# Altium PCB HV_Diffuser.PcbDoc (part 2 of 2)
Units mm, origin at the board's own origin, x right, y up, seen from the top; angles counter-clockwise.
Board outline 200 x 50 mm, 4 copper layers (Top Side, Ground Plane, Power Plane, Bottom Side), stack 0.844 mm thick; 181 components, 110 nets, 544 pads, 222 vias.
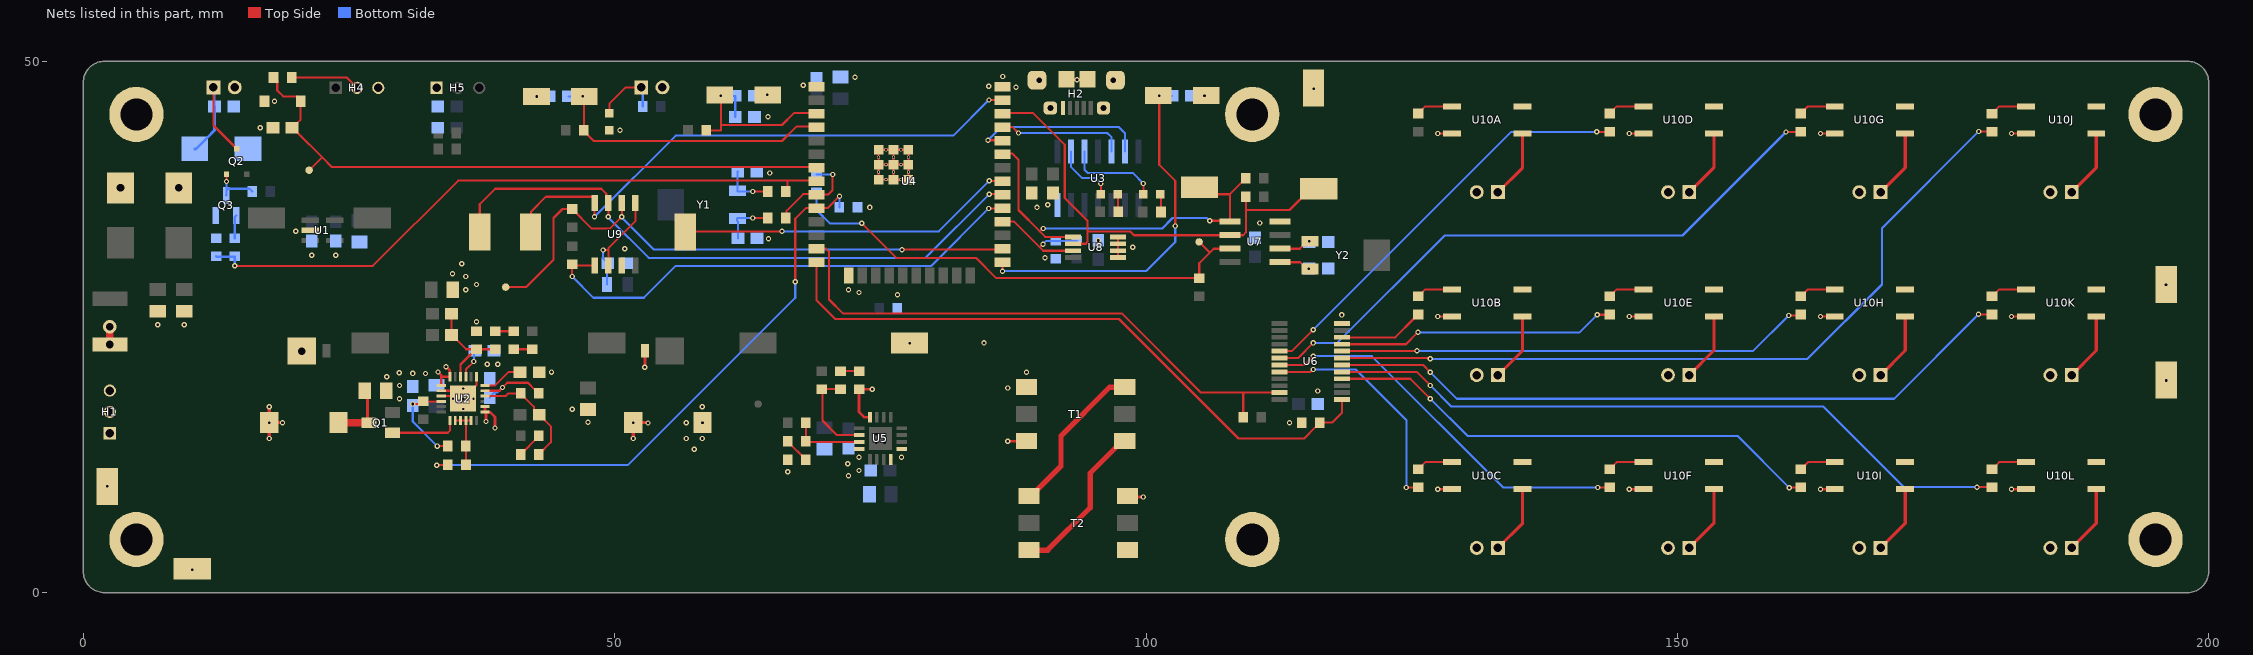
[diagram p4: the nets of this part, all layers, seen from the top]

## Via types
v1: diameter 0.5, hole 0.254, Top Side to Bottom Side, tented both sides, 212 vias
v2: diameter 1.27, hole 0.711, Top Side to Bottom Side, tented both sides, 10 vias

## Nets (pads, with @x,y where several pads share a name; then routed paths per layer and width w, separated by ;. In a path a pad name is that pad's centre, name@x,y a point inside that pad or via, vN(x,y) a via of type N, cw(c..) or ccw(c..) an arc to the next point about the centre after c; other vN are vias at no path point) (continued)
EN2: R42B.1 U6.10 | length 8.1
  Top Side w0.2: U6.10@118.438,24.025 123.452,24.025 125.221,25.794 125.221,25.822 125.571,26.172 R42B.1@125.621,26.172
EN3: R42C.1 U6.20 | length 21.5
  Top Side w0.2: U6.20@112.562,20.775 115.483,20.775 115.708,21 v1(115.75,21) ; v1(124.503,9.893) 125.603,9.893 R42C.1@125.621,9.91
  Bottom Side w0.2: v1(115.75,21) 119.75,21 124.503,16.247 v1(124.503,9.893)
EN4: R42D.1 U6.17 | length 39.6
  Top Side w0.2: U6.17@112.562,22.725 113.725,22.725 v1(115.75,24.75) ; v1(142.411,43.355) 143.59,43.355 R42D.1@143.621,43.385
  Bottom Side w0.2: v1(115.75,24.75) 134.355,43.355 v1(142.411,43.355)
EN5: R42E.1 U6.9 | length 26.3
  Top Side w0.2: U6.9@118.438,23.375 124.469,23.375 v1(125.586,24.493) ; v1(142.46,26.147) 143.596,26.147 R42E.1@143.621,26.172
  Bottom Side w0.2: v1(125.586,24.493) 140.805,24.493 v1(142.46,26.147)
EN6: R42F.1 U6.19 | length 36.5
  Top Side w0.2: U6.19@112.562,21.425 114.925,21.425 v1(115.75,22.25) ; v1(142.521,9.894) 143.605,9.894 R42F.1@143.621,9.91
  Bottom Side w0.2: v1(115.75,22.25) 121.25,22.25 133.606,9.894 v1(142.521,9.894)
EN7: R42G.1 U6.18 | length 57.9
  Top Side w0.2: U6.18@112.562,22.075 114.325,22.075 v1(115.75,23.5) ; v1(160.224,43.34) 161.575,43.34 R42G.1@161.621,43.385
  Bottom Side w0.2: v1(115.75,23.5) 118,23.5 128.103,33.603 150.487,33.603 v1(160.224,43.34)
EN8: R42H.1 U6.8 | length 44.6
  Top Side w0.2: U6.8@118.438,22.725 125.475,22.725 v1(125.5,22.75) ; v1(160.47,26.085) 161.534,26.085 R42H.1@161.621,26.172
  Bottom Side w0.2: v1(125.5,22.75) 157.135,22.75 v1(160.47,26.085)
EN9: R42I.1 U6.4 | length 47.4
  Top Side w0.2: U6.4@118.438,20.125 124.875,20.125 v1(126.75,18.25) ; v1(160.533,9.877) 161.588,9.877 R42I.1@161.621,9.91
  Bottom Side w0.2: v1(126.75,18.25) 130.25,14.75 155.66,14.75 v1(160.533,9.877)
EN10: R42J.1 U6.7 | length 73.2
  Top Side w0.2: U6.7@118.438,22.075 126.594,22.075 126.669,22 v1(126.75,22) ; v1(178.356,43.4) 179.59,43.4 R42J.1@179.607,43.383
  Bottom Side w0.2: v1(126.75,22) 162.25,22 169.25,29 169.25,34.294 v1(178.356,43.4)
EN11: R42K.1 U6.6 | length 65.8
  Top Side w0.2: U6.6@118.438,21.425 126.075,21.425 v1(126.75,20.75) ; v1(178.34,26.188) 179.591,26.188 R42K.1@179.607,26.172
  Bottom Side w0.2: v1(126.75,20.75) 129.25,18.25 170.402,18.25 v1(178.34,26.188)
EN12: R42L.1 U6.5 | length 65.7
  Top Side w0.2: U6.5@118.438,20.775 125.475,20.775 v1(126.75,19.5) ; v1(178.191,9.926) 179.591,9.926 R42L.1@179.607,9.91
  Bottom Side w0.2: v1(126.75,19.5) 128.75,17.5 163.75,17.5 171.324,9.926 v1(178.191,9.926)
F_EN: R13.2 R15.1 R25.2 U4.8 | length 61.8
  Top Side w0.2: v1(14.25,30.75) 27.25,30.75 35.27,38.77 66.25,38.77 ; R25.2@66.1,37.75 66.25,37.9 66.25,38.77 ; U4.8@68.991,38.72 68.941,38.77 68.5,38.77 66.25,38.77
  Bottom Side w0.2: R15.1@12.5,31.65 12.539,31.611 14.25,31.611 v1(14.25,30.75)
GND: C1.1 C2.1 C3.2 C4.2 C5.1 C6.1 C7.1 C8.1 C9.1 C12.2 C14.1 C15.1 C16.1 C17.2 C18.1 C19.1 C20.1 C21.1 C22.1 C23.1 C24.1 C25.1 C26.1 C27.1 C28.1 C29.1 C30.1 C31.1 C32.1 C33.1 C34.1 C35.1 C36.1 C37.1 C38.1 C39.1 C40.1 C41.1 C42.1 D3.2 D4.2 DL3.1 H1.1 H1.3 H2.GND H3.2 H4.3 H5.1 H6.2 L2.1 MH1.1 MH2.1 MH3.1 MH4.1 MH5.1 MH6.1 Q3.2 R5.2 R12.1 R15.2 R28.2 R35.1 R36.1 R41.1 SW1.2 SW2.1 SW3.1 T1.4 TP3.1 TP4.1 TP5.1 U1.2 U2.25 U3.14 U4.1 U5.A0 U5.A1 U5.GND U6.12 U7.4 U8.1 U8.2 U8.3 U8.4 U9.7 U10A.2 U10B.2 U10C.2 U10D.2 U10E.2 U10F.2 U10G.2 U10H.2 U10I.2 U10J.2 U10K.2 U10L.2 | length 39.3
  Top Side w0.2: U2.25@33.688,18.5 U2.25@35.5,18.5 ; U2.25@33.688,19 U2.25@35,19 ; U2.25@35.75,18.25 37,19.5 U2.25@37,20.312 ; U4.1@74.79,40.271 U4.1@75.49,40.271 ; U4.1@74.841,40.22 U4.1@74.841,40.92 ; U4.1@74.841,40.97 U4.1@74.841,41.67 ; U4.1@74.841,41.543 74.968,41.67 U4.1@75.541,41.67 U4.1@76.241,41.67 ; U4.1@74.842,38.834 U4.1@74.842,39.534 ; U4.1@74.842,39.584 U4.1@74.842,40.284 ; U4.1@75.206,38.88 U4.1@75.906,38.88 ; U4.1@75.538,40.268 U4.1@76.238,40.268 ; U5.A0@75.975,12.525 75.975,12.72 U5.A0@76.05,12.795 ; U4.1@76.192,38.877 U4.1@76.892,38.877 ; U4.1@76.249,38.964 U4.1@76.249,39.664 ; U4.1@76.258,39.57 U4.1@76.258,40.27 ; U4.1@76.466,38.842 77.166,38.842 ; U5.A1@76.648,13.45 76.723,13.525 U5.A1@77,13.525 ; U4.1@77.635,39.283 U4.1@77.635,39.983 ; U4.1@77.641,40.27 76.591,40.27 76.591,40.62 76.241,40.62 U4.1@76.241,40.97 U4.1@76.241,41.67 ; U4.1@77.641,41.67 U4.1@76.241,41.67 ; U4.1@77.65,40.663 U4.1@77.65,41.363 ; U8.1@97.355,31.525 U8.2@97.355,32.175 U8.3@97.355,32.825 U8.4@97.355,33.475 ; v1(127.463,9.725) 128.791,9.725 U10C.2@128.806,9.74 ; v1(127.463,25.986) 128.791,25.986 U10B.2@128.806,26.002 ; v1(127.463,43.2) 128.79,43.2 U10A.2@128.806,43.215 ; v1(145.463,9.725) 146.791,9.725 U10F.2@146.806,9.74 ; v1(145.463,25.986) 146.791,25.986 U10E.2@146.806,26.002 ; v1(145.463,43.2) 146.791,43.2 U10D.2@146.806,43.215 ; v1(163.463,9.725) 164.791,9.725 U10I.2@164.806,9.74 ; v1(163.463,25.986) 164.791,25.986 U10H.2@164.806,26.002 ; v1(163.463,43.2) 164.791,43.2 U10G.2@164.806,43.215 ; v1(181.449,9.725) 182.777,9.725 U10L.2@182.792,9.74 ; v1(181.449,25.986) 182.777,25.986 U10K.2@182.792,26.002 ; v1(181.449,43.198) 182.777,43.198 U10J.2@182.792,43.213
  other v1: 10.245,2.162 2.25,10 72,11 66.291,11.384 73,11.5 71.923,12.116 73,12.75 77,12.75 57.5,13.5 56.75,14.5 58.25,14.5 56.75,16 58.273,15.988 113.5,16 47.49,16.044 46,17.25 58.25,17.5 29.75,18.25 116.158,18.975 87,19.25 29.75,19.5 28.56,20.31 30.995,20.63 32.204,20.614 29.739,20.694 44.056,20.753 88.75,20.75 38,21.5 39,21.5 84.75,23.5 7,25.2 9.5,25.2 37,25.5 118.433,26.134 76.612,28.042 73,28.25 36,28.5 72,28.5 37,29 36,29.75 34.75,30 35.614,30.937 90.5,31.5 21.5,31.75 23.75,31.75 50.962,32.347 98.75,32.5 95.507,33.143 64.481,33.304 20,34 110.709,34.777 74,36.25 89.75,36.25 90.75,36.5 64.604,39.495 50.5,43.5 16.65,43.737 64.429,44.782 18,46.25 42.674,46.678 105.502,46.743 64.356,46.847 115.793,47.425 87.762,47.566 85.213,47.646 67.742,47.753 93.5,48.25 72.623,48.501 86.511,48.571
  other v2: 3.5,38.083 9,38.083
LE: R35.2 U4.14 U6.1 | length 60.7
  Top Side w0.2: U4.14@68.991,31.1 68.991,27.509 70.745,25.755 97.453,25.755 108.708,14.5 114.88,14.5 115.98,15.6 116,15.6 116.35,15.95 R35.2@116.35,16 117.5,16 118.438,16.938 U6.1@118.438,18.175
MFP: R29.2 R37.1 TP19.1 U7.7 | length 46.6
  Top Side w0.2: v1(73.25,34.75) 76.5,31.5 84,31.5 85.878,29.622 99.748,29.622 99.771,29.6 R37.1@105,29.6 ; TP19.1@105,33 106,32 ; R37.1@105.01,29.61 105.01,31.01 106.365,32.365 U7.7@107.888,32.365
  Bottom Side w0.2: R29.2@69,37.65 69,36 70.25,34.75 v1(73.25,34.75)
MISO: TP12.1 U4.31 | length 31.8
  Top Side w0.2: TP12.1@56.646,33.932 56.714,34 v1(65.75,34) ; v1(85.25,38.75) 86.461,38.75 U4.31@86.491,38.72
  Bottom Side w0.2: v1@65.767,34 80.5,34 v1(85.25,38.75)
Mode: C36.2 R32.1 SW3.2 U4.4 | length 27.5
  Top Side w0.2: SW3.2@47.15,46.7 47.1,46.65 R32.1@47.1,43.5 47.45,43.15 47.45,43.084 48.034,42.5 65.75,42.5 67.1,43.85 68.5,43.85 68.941,43.85 U4.4@68.991,43.8
  Bottom Side w0.2: C36.2@45.644,46.7 v1(47.011,46.7)
MOSI: TP13.1 U4.37 U9.4 | length 53.2
  Top Side w0.2: TP13.1@42.092,33.932 42.146,33.986 42.146,35.865 43.531,37.25 47.945,37.25 48.145,37.05 U9.4@48.145,36.661 48.105,36.622 v1(48.105,35.371) ; v1(85.226,46.365) 86.465,46.365 U4.37@86.491,46.34
  Bottom Side w0.2: v1(48.105,35.371) 55.734,43 81.861,43 v1@85.218,46.357
N: H7A.2 H7B.2 H7C.2 H7D.2 H7E.2 H7F.2 H7G.2 H7H.2 H7I.2 H7J.2 H7K.2 H7L.2 T2.3 TP10.1 | length 1.5
  Top Side w0.3: T2.3@98.25,9.08 98.33,9 v1(99.75,9)
  other v1: 195.988,28.98
nCS: R39.1 TP8.1 U4.26 U9.2 | length 56
  Top Side w0.2: TP8.1@39.75,28.75 41.66,28.75 44.25,31.34 44.25,35.25 45.1,36.1 R39.1@46,36.1 47.85,34.25 49.555,34.25 v1(50.68,35.374) 50.685,35.38 U9.2@50.685,36.661 ; v1@77.04,32.284 86.404,32.284 U4.26@86.491,32.37
  Bottom Side w0.2: v1(50.68,35.374) 50.68,35.297 53.69,32.287 77.019,32.287 v1(77.032,32.275)
nE: R34.1 U4.13 U6.23 | length 54.1
  Top Side w0.2: U4.13@68.991,32.37 69.88,32.37 70.164,32.086 70.164,27.586 71.5,26.25 97.75,26.25 105.175,18.825 U6.23@112.562,18.825 ; R34.1@109.15,16.5 109.15,18.802
NetC8_2: C8.2 L1.1 Q1.3 | length 6.1
  Top Side w0.3: C8.2@26.484,19 26.734,18.75 26.734,16.166 Q1.3@26.9,16
  Top Side w0.7: L1.1@24,16 Q1.3@26.9,16
NetC10_1: C10.1 C11.1 R3.2 R5.1 U2.22 | length 9.9
  Top Side w0.2: C11.1@34.65,26.25 C10.1@34.65,24.25 34.7,24.25 35.15,23.8 35.15,23.792 36.042,22.9 36.928,22.9 37.193,22.9 R3.2@38.75,22.9 ; U2.22@35.5,20.312 35.5,21.472 36.578,22.55 36.65,22.55 R5.1@37,22.9
NetC12_1: C12.1 R4.1 U2.17 | length 7.4
  Top Side w0.2: U2.17@37.812,19 39.187,19 39.454,19.267 v1(39.454,19.31) 39.894,19.75 41.85,19.75 42.45,19.15 42.5,19.15 42.85,18.8 R4.1@42.85,18.75
  Bottom Side w0.2: C12.1@38.25,18.35 38.25,18.4 38.7,18.85 38.994,18.85 v1(39.454,19.31)
NetC13_2: C13.2 R4.2 R7.1 U2.16 | length 10.9
  Top Side w0.2: U2.16@37.812,18.5 38.99,18.5 38.992,18.499 39.749,18.499 40,18.75 R4.2@41.15,18.75 41.15,18.7 41.5,18.35 41.55,18.35 42.401,17.499 42.401,17.2 42.851,16.75 C13.2@42.9,16.75 44,15.65 44,14.15 R7.1@42.85,13
NetC15_2: C15.2 R6.1 R10.2 U2.4 | length 8.7
  Top Side w0.2: v1(31,17.75) 31.727,17.75 R6.1@32,18.023 32.023,18 U2.4@33.688,18 ; v1(33.317,13.79) 33.325,13.798 R10.2@34.304,13.798
  Bottom Side w0.2: v1(31,17.75) 31,16.107 v1(33.317,13.79)
NetC18_2: C18.2 U2.21 | length 2.8
  Top Side w0.2: U2.21@36,20.312 36,21 v1@36.739,21.739
  Bottom Side w0.2: v1(36.75,21.75) 36.75,22.65 C18.2@36.85,22.75
NetC19_2: C19.2 U2.18 | length 3.8
  Top Side w0.2: U2.18@37.812,19.5 38.75,19.5 40,20.75 C19.2@41.1,20.75
NetC21_2: C21.2 D3.1 H3.1 Q2.3 | length 13.2
  Top Side w0.2: H3.1@12.25,47.55 12.25,43.961 14.271,41.94 14.271,41.927 14.412,41.786 Q2.3@14.425,41.786
  Bottom Side w0.2: C21.2@12.35,45.75 H3.1@12.35,47.45
  Bottom Side w0.25: D3.1@10.5,41.75 10.6,41.75 11.625,42.775 11.625,42.784 12.35,43.509 C21.2@12.35,45.75
NetC24_2: C24.2 SW1.1 U4.25 | length 33.6
  Top Side w0.2: U4.25@86.491,31.1 86.5,31.091 v1@86.5,30.45 ; v1(101.252,46.743) 101.252,40.248 102.75,38.75 v1(102.75,34.5)
  Bottom Side w0.2: v1(86.5,30.25) 100,30.25 102.75,33 v1@102.75,34.483 ; v1(101.252,46.743) 102.443,46.743 C24.2@102.45,46.75
NetC25_2: C25.2 C26.2 R17.2 SW2.2 U4.3 | length 17.6
  Top Side w0.2: R17.2@58.6,43.5 59.996,43.5 59.996,44 ; SW2.2@59.9,46.85 59.916,46.85 v1(59.996,46.77) 59.996,44 ; U4.3@68.991,45.07 68.941,45.12 68.5,45.12 66.87,45.12 65.75,44 59.996,44
  Bottom Side w0.2: v1(59.996,46.77) 60.016,46.75 C25.2@61.35,46.75 C26.2@61.35,44.75
NetC27_2: C27.2 R25.1 Y1.1 | length 4.7
  Top Side w0.2: v1(63,37.75) R25.1@64.4,37.75
  Bottom Side w0.2: C27.2@61.581,39.613 61.55,39.582 Y1.1@61.55,37.8 61.6,37.75 v1(63,37.75)
NetC28_2: C28.2 D4.1 R22.2 TP16.1 U4.7 | length 59.5
  Top Side w0.2: R22.2@17.9,48.476 18.25,48.126 18.25,47.25 18.806,46.694 20.096,46.694 20.452,46.339 20.452,44.508 20.15,44.206 20.15,44.2 C28.2@19.7,43.75 ; C28.2@19.65,43.75 C28.2@19.7,43.75 ; C28.2@19.694,43.75 C28.2@19.7,43.75 ; TP16.1@21.25,39.75 22.474,40.974 ; U4.7@68.991,39.99 68.941,40.04 68.5,40.04 23.408,40.04 22.474,40.974 ; C28.2@19.7,43.75 20.15,43.3 20.15,43.298 22.474,40.974
NetC33_2: C33.2 R26.1 Y1.2 | length 4.8
  Top Side w0.2: v1(63,35.25) R26.1@64.4,35.25
  Bottom Side w0.2: C33.2@61.6,33.339 61.6,34.897 61.506,34.99 61.506,35.156 Y1.2@61.55,35.2 61.6,35.25 v1(63,35.25)
NetC38_2: C38.2 U7.1 Y2.2 | length 3.1
  Top Side w0.2: U7.1@112.612,31.095 114.505,31.095 115.15,30.45 Y2.2@115.45,30.45
  other v1: 115.327,30.482
NetC40_2: C40.2 U7.2 Y2.1 | length 3.1
  Top Side w0.2: U7.2@112.612,32.365 114.463,32.365 114.748,32.65 115.05,32.65 Y2.1@115.45,33.05
  other v1: 115.366,33.059
NetD1_2: D1.2 L1.2 U2.1 U2.24 | length 7.5
  Top Side w0.25: v1(33.371,20.764) 33.688,20.447 U2.1@33.688,19.533 ; 33.688,20.306 U2.24@34.485,20.306 ; v1@34.16,21.244 34.5,20.905 U2.24@34.5,20.312
  Top Side w0.3: v1(17.5,14.5) v1(17.5,16) ; v1(17.5,17.5) v1(17.5,16) ; v1(18.75,16) v1(17.5,16) ; v1(34.123,21.244) v1@34.16,21.244
  other v2: 20.561,22.714
NetD2_1: D2.1 L2.2 U2.13 U2.14 | length 7.6
  Top Side w0.25: U2.13@37.812,17 37.89,17 37.9,16.99 v1(37.9,16.102) ; U2.13@38.092,17 38.102,16.99 38.265,16.99 38.736,16.52 38.736,15.514 v1(38.75,15.5)
  Top Side w0.3: U2.13@37.812,17.114 U2.14@37.812,17.433 ; v1(51.75,14.5) v1(51.75,16) 53.103,16 v1(53.132,15.972) ; v1(52.843,21.196) 52.843,22.745 D2.1@52.848,22.75
NetDL1_1: DL1.1 U3.2 | length 5.9
  Top Side w0.2: DL1.1@95.75,37.5 v1(95.75,38.5)
  Bottom Side w0.2: U3.2@92.96,41.515 92.96,40.04 94,39 95.25,39 v1(95.75,38.5)
NetDL1_2: DL1.2 R14.2 | length 1.7
  Top Side w0.2: DL1.2@97.35,37.5 97.35,35.891 R14.2@97.409,35.833
NetDL2_1: DL2.1 U3.3 | length 8.8
  Top Side w0.2: v1(99.75,38.5) 99.75,37.502 DL2.1@99.752,37.5
  Bottom Side w0.2: U3.3@94.23,41.515 94.23,39.77 94.5,39.5 98.75,39.5 v1(99.75,38.5)
NetDL2_2: DL2.2 R16.2 | length 1.7
  Top Side w0.2: DL2.2@101.352,37.5 101.413,37.439 R16.2@101.413,35.812
NetDL3_2: DL3.2 H6.1 R33.1 | length 6.2
  Top Side w0.2: DL3.2@49.5,45.1 49.5,46 51.05,47.55 H6.1@52.5,47.55
  Bottom Side w0.2: R33.1@52.65,45.75 H6.1@52.65,47.4
NetF1_1: F1.1 H1.2 | length 1.6
  Top Side w0.7: v2(2.5,23.35) v2(2.5,25)
NetH4_2: H4.2 R22.1 | length 6.6
  Top Side w0.2: R22.1@19.6,48.476 24.781,48.476 H4.2@25.757,47.5
NetH7A_1: H7A.1 U10A.3 | length 6.5
  Top Side w0.3: H7A.1@133.121,37.685 135.435,40 U10A.3@135.435,43.215
NetH7B_1: H7B.1 U10B.3 | length 6.5
  Top Side w0.3: H7B.1@133.121,20.472 135.435,22.787 U10B.3@135.435,26.002
NetH7C_1: H7C.1 U10C.3 | length 6.5
  Top Side w0.3: H7C.1@133.121,4.21 135.435,6.525 U10C.3@135.435,9.74
NetH7D_1: H7D.1 U10D.3 | length 6.5
  Top Side w0.3: H7D.1@151.121,37.685 153.435,40 U10D.3@153.435,43.215
NetH7E_1: H7E.1 U10E.3 | length 6.5
  Top Side w0.3: H7E.1@151.121,20.472 153.435,22.787 U10E.3@153.435,26.002
NetH7F_1: H7F.1 U10F.3 | length 6.5
  Top Side w0.3: H7F.1@151.121,4.21 153.435,6.525 U10F.3@153.435,9.74
NetH7G_1: H7G.1 U10G.3 | length 6.5
  Top Side w0.3: H7G.1@169.121,37.685 171.435,40 U10G.3@171.435,43.215
NetH7H_1: H7H.1 U10H.3 | length 6.5
  Top Side w0.3: H7H.1@169.121,20.472 171.435,22.787 U10H.3@171.435,26.002
NetH7I_1: H7I.1 U10I.3 | length 6.5
  Top Side w0.3: H7I.1@169.121,4.21 171.435,6.525 U10I.3@171.435,9.74
NetH7J_1: H7J.1 U10J.3 | length 6.5
  Top Side w0.3: H7J.1@187.107,37.683 189.422,39.998 U10J.3@189.422,43.213
NetH7K_1: H7K.1 U10K.3 | length 6.5
  Top Side w0.3: H7K.1@187.107,20.472 189.422,22.787 U10K.3@189.422,26.002
NetH7L_1: H7L.1 U10L.3 | length 6.5
  Top Side w0.3: H7L.1@187.107,4.21 189.422,6.525 U10L.3@189.422,9.74
NetQ1_1: Q1.1 U2.7 | length 6.4
  Top Side w0.2: Q1.1@29.1,15.05 34.3,15.05 34.5,15.25 U2.7@34.5,16.188
NetQ2_1: Q2.1 Q3.3 R9.2 | length 4.6
  Top Side w0.2: v1@13.475,38.683 Q2.1@13.475,39.385
  Bottom Side w0.2: Q3.3@13.437,37.378 13.471,37.413 Q3.3@13.471,37.83 ; v1(13.471,38.679) Q3.3@13.471,37.83 ; R9.2@15.9,37.75 15.65,38 13.641,38 Q3.3@13.471,37.83
NetQ3_1: Q3.1 R13.1 | length 2.2
  Bottom Side w0.2: R13.1@14.25,33.35 14.25,35.345 Q3.1@14.389,35.484
NetR1_2: R1.2 R2.2 | length 1.7
  Top Side w0.2: R2.2@40.5,22.9 R1.2@42.25,22.9
NetR2_1: R2.1 R3.1 | length 1.7
  Top Side w0.2: R3.1@38.75,24.6 R2.1@40.5,24.6
NetR7_2: R7.2 R8.2 | length 2.5
  Top Side w0.2: R7.2@41.15,13 42.85,14.7 R8.2@42.85,14.75
NetR10_1: R10.1 R11.1 U2.8 U2.9 U2.10 U2.11 | length 5.6
  Top Side w0.2: U2.8@35,16.188 U2.9@35.5,16.188 U2.10@36,16.188 ; R11.1@36.013,12.047 36.013,13.789 R10.1@36.004,13.798 36.004,13.83 36,13.834 U2.10@36,16.188 ; U2.11@36.5,16.188 U2.10@36,16.188
NetR20_1: R20.1 R21.2 | length 1.8
  Top Side w0.2: R20.1@71.25,20.85 R21.2@73,20.85
NetR20_2: R20.2 R24.1 U5.2 | length 8.7
  Top Side w0.2: R24.1@69.5,19.15 69.617,19.15 69.9,19.15 R20.2@71.25,19.15 ; R24.1@69.559,19.091 69.559,16.191 70.925,14.825 U5.2@73,14.825
NetR23_1: R23.1 R27.2 U5.3 | length 6.8
  Top Side w0.2: R23.1@68,16 R27.2@68,14.25 68.081,14.169 U5.3@72.994,14.169
NetR26_2: R26.2 R29.1 U4.9 | length 8.9
  Top Side w0.2: R26.2@66.1,35.25 66.183,35.333 66.183,35.933 67.75,37.5 68.941,37.5 U4.9@68.991,37.45 70.075,37.45 70.499,37.874 70.499,39.334 v1(70.516,39.351)
  Bottom Side w0.2: R29.1@69,39.35 70.514,39.35 v1(70.516,39.351)
NetR27_1: R27.1 R28.1 | length 2.5
  Top Side w0.2: R27.1@66.3,14.2 R28.1@68,12.5
  Top Side w0.25: R27.1@66.3,14.2 R27.1@66.3,14.25
NetR42A_2: R42A.2 U10A.1 | length 3.5
  Top Side w0.2: R42A.2@125.621,45.085 126.291,45.755 U10A.1@128.806,45.755
NetR42B_2: R42B.2 U10B.1 | length 3.5
  Top Side w0.2: R42B.2@125.621,27.872 126.291,28.542 U10B.1@128.806,28.542
NetR42C_2: R42C.2 U10C.1 | length 3.5
  Top Side w0.2: R42C.2@125.621,11.61 126.291,12.28 U10C.1@128.806,12.28
NetR42D_2: R42D.2 U10D.1 | length 3.5
  Top Side w0.2: R42D.2@143.621,45.085 144.291,45.755 U10D.1@146.806,45.755
NetR42E_2: R42E.2 U10E.1 | length 3.5
  Top Side w0.2: R42E.2@143.621,27.872 144.291,28.542 U10E.1@146.806,28.542
NetR42F_2: R42F.2 U10F.1 | length 3.5
  Top Side w0.2: R42F.2@143.621,11.61 144.291,12.28 U10F.1@146.806,12.28
NetR42G_2: R42G.2 U10G.1 | length 3.5
  Top Side w0.2: R42G.2@161.621,45.085 162.291,45.755 U10G.1@164.806,45.755
NetR42H_2: R42H.2 U10H.1 | length 3.5
  Top Side w0.2: R42H.2@161.621,27.872 162.291,28.542 U10H.1@164.806,28.542
NetR42I_2: R42I.2 U10I.1 | length 3.5
  Top Side w0.2: R42I.2@161.621,11.61 162.291,12.28 U10I.1@164.806,12.28
NetR42J_2: R42J.2 U10J.1 | length 3.5
  Top Side w0.2: R42J.2@179.607,45.083 180.277,45.753 U10J.1@182.792,45.753
NetR42K_2: R42K.2 U10K.1 | length 3.5
  Top Side w0.2: R42K.2@179.607,27.872 180.277,28.542 U10K.1@182.792,28.542
NetR42L_2: R42L.2 U10L.1 | length 3.5
  Top Side w0.2: R42L.2@179.607,11.61 180.277,12.28 U10L.1@182.792,12.28
NetT1_1: T1.1 T2.6 | length 15.1
  Top Side w0.5: T2.6@89,4 90.75,4 94.75,8 94.75,11.25 97.75,14.25 T1.1@98,14.25
NetT1_3: T1.3 T2.4 | length 15
  Top Side w0.5: T2.4@89,9.08 89.25,9.08 89.75,9.58 89.75,9.653 92,11.903 92,14.75 96.58,19.33 T1.3@98,19.33
nLDAC: R40.1 U4.29 U9.5 | length 48
  Top Side w0.2: v1(46,29.75) 46,30.789 U9.5@48.145,30.789 ; v1(85.217,36.154) 86.464,36.154 U4.29@86.491,36.18
  Bottom Side w0.2: v1(46,29.75) 48,27.75 52.75,27.75 55.75,30.75 79.813,30.75 v1(85.217,36.154)
P: T2.1 TP9.1 U10A.4 U10B.4 U10C.4 U10D.4 U10E.4 U10F.4 U10G.4 U10H.4 U10I.4 U10J.4 U10K.4 U10L.4 | length 0.8
  Top Side w0.3: T2.1@98.25,4 T2.1@98.325,3.925 ; U10C.4@135.435,12.28 U10C.4@135.479,12.237 ; U10B.4@135.435,28.542 U10B.4@135.479,28.499 ; U10A.4@135.435,45.755 U10A.4@135.479,45.712 ; U10F.4@153.435,12.28 U10F.4@153.479,12.237 ; U10E.4@153.435,28.542 U10E.4@153.479,28.499 ; U10D.4@153.435,45.755 U10D.4@153.479,45.712 ; U10I.4@171.435,12.28 U10I.4@171.479,12.237 ; U10H.4@171.435,28.542 U10H.4@171.479,28.499 ; U10G.4@171.435,45.755 U10G.4@171.479,45.712 ; U10L.4@189.422,12.28 U10L.4@189.465,12.237 ; U10K.4@189.422,28.542 U10K.4@189.465,28.499 ; U10J.4@189.422,45.753 U10J.4@189.465,45.71
  other v1: 195.992,19.963
RX: U3.5 U4.35 | length 12
  Top Side w0.2: U4.35@86.491,43.8 86.52,43.83 87.42,43.83 v1(88,43.25)
  Bottom Side w0.2: v1(88,43.25) 96.354,43.25 96.764,42.84 96.764,41.521 U3.5@96.77,41.515
SCL: R19.1 TP15.1 U4.36 U7.6 U8.6 | length 44.8
  Top Side w0.2: U4.36@86.491,45.07 86.541,45.12 89.38,45.12 92.36,42.14 92.36,37.14 94.5,35 94.5,34 ; U8.6@93.145,32.825 93.148,32.828 94.328,32.828 94.5,33 94.5,34 ; R19.1@109.4,37.25 109.4,36 ; TP15.1@116.25,38 115.5,38 113.5,36 109.4,36 ; 94.5,34 98.5,34 98.865,33.635 U7.6@107.888,33.635 109.135,33.635 109.4,33.9 109.4,36
SCLK: TP11.1 U4.30 U9.3 | length 58.8
  Top Side w0.2: TP11.1@37.307,33.932 37.307,36.557 38.75,38 48.75,38 49.215,37.535 49.215,36.861 U9.3@49.415,36.661 49.412,36.659 v1(49.412,35.372) ; v1(85.25,37.5) 86.441,37.5 U4.30@86.491,37.45
  Bottom Side w0.2: v1(49.412,35.372) 49.412,35.291 49.558,35.145 49.558,35.141 53.199,31.5 79.25,31.5 v1(85.25,37.5)
SDA: R18.1 TP14.1 U4.33 U7.5 U8.5 | length 39.1
  Top Side w0.2: U4.33@86.491,41.26 86.541,41.31 87.44,41.31 88,40.75 88,36 90,34 ; v1(90.336,34.267) 90.267,34.267 90,34 ; U8.5@93.145,33.475 90.525,33.475 90,34 ; TP14.1@105.036,38.15 105.699,37.488 107.888,37.488 ; v1(106,35) 107.793,35 U7.5@107.888,34.905 107.888,35 107.888,37.488 ; R18.1@109.4,39 107.888,37.488
  Bottom Side w0.2: v1(90.336,34.267) 90.354,34.25 101.5,34.25 102.5,35.25 105.733,35.25 105.983,35 v1(106,35)
TX: U3.6 U4.34 | length 16.7
  Top Side w0.2: v1(85.129,42.571) 85.991,42.571 86.45,42.571 U4.34@86.491,42.53
  Bottom Side w0.2: v1(85.129,42.571) 86.369,43.81 97.44,43.81 98.04,43.21 U3.6@98.04,41.515
V_EN: R11.2 R12.2 U4.10 | length 54.9
  Top Side w0.2: v1(33.25,12) 34.266,12 R11.2@34.313,12.047 ; v1(67,29.25) 67,35.189 67.991,36.18 70.032,36.18 71.143,37.291 v1(71.156,37.291)
  Bottom Side w0.2: v1(33.25,12) 51.25,12 67,27.75 v1(67,29.25) ; R12.2@71.15,36.25 71.15,37.285 v1(71.156,37.291)
V_OUT: R21.1 T1.6 TP18.1 U5.16 | length 6.4
  Top Side w0.2: R21.1@73,19.15 73.015,19.135 v1(74.234,19.135)
  Top Side w0.25: R21.1@73,19.15 73,17 73.509,16.491 U5.16@74.026,16.491 ; v1(87,14.25) T1.6@88.75,14.25
  other v1: 77.781,23.468
Vref: C42.2 L3.2 U9.1 U9.6 | length 10.8
  Top Side w0.2: v1(48.914,32.236) 48.928,32.25 49.415,32.25 ; U9.6@49.415,30.789 49.415,32.25 ; U9.1@51.955,36.661 51.955,34.955 49.415,32.415 49.415,32.25
  Bottom Side w0.2: v1(48.914,32.236) 48.914,31.436 49.272,31.078 L3.2@49.272,29
WP: R38.1 R41.2 U4.28 U8.7 | length 11.5
  Top Side w0.2: U4.28@86.491,34.91 87.59,34.91 90.012,32.488 ; v1(90.316,32.793) 90.012,32.488 ; U8.7@93.145,32.175 90.325,32.175 90.012,32.488
  Bottom Side w0.2: v1(90.316,32.793) 90.624,33.1 R38.1@93.5,33.1
pads on no net: H2.1 H2.4 T1.2 T1.5 T2.2 T2.5 U1.4 U2.12 U2.20 U3.4 U3.7 U3.8 U3.9 U3.10 U4.17 U4.18 U4.19 U4.20 U4.21 U4.22 U4.32 U5.1 U5.5 U5.6 U5.10 U5.11 U5.12 U5.13 U5.15 U6.13 U6.14 U6.15 U6.16 U7.3 Y1.S1 Y2.S1

## Polygon pours and split planes (outlines as drawn)
GND on Bottom Side "GND_L04_P001" (solid, remove dead copper, pour order 1): 0,0 200,0 200,50 0,50
GND on Top Side "GND_L01_P000" (solid, remove dead copper, pour order 0): -0.162,50 122.496,50 122.496,13.25 92.5,13.25 92.5,0 -0.162,0
P on Top Side "P_L01_P002" (solid, pour order 2): 97,0 97,10.5 125.5,10.5 125.5,50 200,50 200,0
NetF1_1 on Power Plane (split plane): 8.922,24.968 8.922,0.51 2,0.51 1.985,0.509 1.833,0.518 1.668,0.546 1.507,0.592 1.353,0.656 1.206,0.737 1.07,0.834 0.945,0.945 0.834,1.07 0.737,1.206 0.656,1.353 0.592,1.507 0.546,1.668 0.518,1.833 0.509,1.985 0.51,2 0.51,25.922 7.968,25.922
5V on Power Plane (split plane): 2,49.49 22.422,49.49 22.422,30.078 16.25,30.078 16.22,30.072 16.195,30.055 14.445,28.305 14.428,28.28 14.422,28.25 14.422,15.5 14.428,15.47 14.445,15.445 16.195,13.695 16.22,13.678 16.25,13.672 28.5,13.672 28.53,13.678 28.555,13.695 33.5,18.64 35.922,16.218 35.922,15.282 26.945,6.305 22.445,1.805 22.428,1.78 22.422,1.75 22.422,0.51 9.078,0.51 9.078,25 9.072,25.03 9.055,25.055 8.055,26.055 8.03,26.072 8,26.078 0.51,26.078 0.51,48 0.509,48.015 0.518,48.167 0.546,48.332 0.592,48.493 0.656,48.647 0.737,48.794 0.834,48.93 0.945,49.055 1.07,49.166 1.206,49.263 1.353,49.344 1.507,49.408 1.668,49.454 1.833,49.482 1.985,49.491
NetD1_2 on Power Plane (split plane): 21.945,23.445 23.445,21.945 23.47,21.928 23.5,21.922 34.218,21.922 35.39,20.75 28.468,13.828 16.282,13.828 14.578,15.532 14.578,24.922 20.468,24.922
+6V on Power Plane (split plane): 50.945,27.945 50.97,27.928 51,27.922 71.172,27.922 71.172,19.25 71.178,19.22 71.195,19.195 72.195,18.195 72.22,18.178 72.25,18.172 78.672,18.172 78.672,16.328 69.532,16.328 59.805,26.055 59.78,26.072 59.75,26.078 48.5,26.078 48.47,26.072 48.445,26.055 43.718,21.328 36,21.328 35.97,21.322 35.945,21.305 35.5,20.86 34.305,22.055 34.28,22.072 34.25,22.078 23.532,22.078 22.055,23.555 20.555,25.055 20.53,25.072 20.5,25.078 14.578,25.078 14.578,28.218 16.282,29.922 48.968,29.922
3V3 on Power Plane (split plane): 123.924,49.49 123.924,12.326 95.328,12.326 95.328,19.25 95.322,19.28 95.305,19.305 90.805,23.805 90.78,23.822 90.75,23.828 81.282,23.828 77.055,28.055 77.03,28.072 77,28.078 51.032,28.078 49.055,30.055 49.03,30.072 49,30.078 22.578,30.078 22.578,49.49
NetD2_1 on Power Plane (split plane): 58.672,20.718 58.672,0.51 22.578,0.51 22.578,1.718 27.055,6.195 36.055,15.195 36.072,15.22 36.078,15.25 36.078,16.172 36.75,16.172 36.78,16.178 36.805,16.195 37.75,17.14 38.445,16.445 38.47,16.428 38.5,16.422 49,16.422 49.03,16.428 49.055,16.445 50.805,18.195 50.822,18.22 50.828,18.25 50.828,20.718 51.805,21.695 52.532,22.422 56.968,22.422
N on Power Plane (split plane): 198.167,49.482 198.332,49.454 198.493,49.408 198.647,49.344 198.794,49.263 198.93,49.166 199.055,49.055 199.166,48.93 199.263,48.794 199.344,48.647 199.408,48.493 199.454,48.332 199.482,48.167 199.491,48.015 199.49,48 199.49,2 199.491,1.985 199.482,1.833 199.454,1.668 199.408,1.507 199.344,1.353 199.263,1.206 199.166,1.07 199.055,0.945 198.93,0.834 198.794,0.737 198.647,0.656 198.493,0.592 198.332,0.546 198.167,0.518 198.015,0.509 198,0.51 95.328,0.51 95.328,12.174 124,12.174 124.029,12.179 124.054,12.196 124.071,12.221 124.076,12.25 124.076,49.49 198,49.49 198.015,49.491
GND on Power Plane (split plane): 38.922,18.532 37.695,17.305 36.718,16.328 36.032,16.328 33.61,18.75 35.555,20.695 36.032,21.172 38.922,21.172
-6V on Power Plane (split plane): 69.445,16.195 69.47,16.178 69.5,16.172 78.672,16.172 78.672,0.51 58.828,0.51 58.828,20.75 58.822,20.78 58.805,20.805 57.055,22.555 57.03,22.572 57,22.578 52.5,22.578 52.47,22.572 52.445,22.555 51.695,21.805 50.695,20.805 50.678,20.78 50.672,20.75 50.672,18.282 48.968,16.578 38.532,16.578 37.86,17.25 39.055,18.445 39.072,18.47 39.078,18.5 39.078,21.172 43.75,21.172 43.78,21.178 43.805,21.195 48.532,25.922 59.718,25.922
V_OUT on Power Plane (split plane): 81.195,23.695 81.22,23.678 81.25,23.672 90.718,23.672 95.172,19.218 95.172,0.51 78.828,0.51 78.828,16.25 78.828,18.25 78.822,18.28 78.805,18.305 78.78,18.322 78.75,18.328 72.282,18.328 71.328,19.282 71.328,27.922 76.968,27.922
GND on Ground Plane (split plane): 2,49.49 198,49.49 198.015,49.491 198.167,49.482 198.332,49.454 198.493,49.408 198.647,49.344 198.794,49.263 198.93,49.166 199.055,49.055 199.166,48.93 199.263,48.794 199.344,48.647 199.408,48.493 199.454,48.332 199.482,48.167 199.491,48.015 199.49,48 199.49,2 199.491,1.985 199.482,1.833 199.454,1.668 199.408,1.507 199.344,1.353 199.263,1.206 199.166,1.07 199.055,0.945 198.93,0.834 198.794,0.737 198.647,0.656 198.493,0.592 198.332,0.546 198.167,0.518 198.015,0.509 198,0.51 2,0.51 1.985,0.509 1.833,0.518 1.668,0.546 1.507,0.592 1.353,0.656 1.206,0.737 1.07,0.834 0.945,0.945 0.834,1.07 0.737,1.206 0.656,1.353 0.592,1.507 0.546,1.668 0.518,1.833 0.509,1.985 0.51,2 0.51,48 0.509,48.015 0.518,48.167 0.546,48.332 0.592,48.493 0.656,48.647 0.737,48.794 0.834,48.93 0.945,49.055 1.07,49.166 1.206,49.263 1.353,49.344 1.507,49.408 1.668,49.454 1.833,49.482 1.985,49.491

## Other copper
Power Plane (plane layer: these items are gaps in the copper):
  lines w0.15: 95.25,12.25 124,12.25 124,50
  lines w0.152: 0,23.5 0,26 8,26 9,25 9,0 10,0 ; 14.5,25 20.5,25 22,23.5 23.5,22 34.25,22 35.5,20.75 ; 22.5,0 22.5,1.75 27,6.25 36,15.25 36,16.25 ; 22.5,50 22.5,30 ; 33.5,18.75 36,16.25 ; 39,21.25 39,18.5 37.75,17.25 ; 76.25,16.25 78.75,16.25 ; 77.5,0 78.75,0 78.75,16.25 ; 95.25,0 95.25,19.25 90.75,23.75 85.5,23.75 81.25,23.75 77,28 71.25,28 ; 16.25,30 49,30 ; 16.25,30 22.5,30 ; 16.25,30 14.5,28.25 14.5,15.5 16.25,13.75 19,13.75 28.5,13.75 36,21.25 43.75,21.25 48.5,26 52.75,26 58.75,26 59.75,26 69.5,16.25 78.75,16.25 ; 22.5,30 34.5,30 49,30 ; 36,16.25 36.75,16.25 37.75,17.25 ; 37.75,17.25 38.5,16.5 39.5,16.5 49,16.5 50.75,18.25 50.75,20.75 51.75,21.75 52.5,22.5 57,22.5 58.75,20.75 ; 49,30 51,28 51.25,28 53.75,28 54,28 56.302,28 71.25,28 ; 58.75,20.75 58.75,-0.25 58.75,20.75 ; 71.25,28 71.25,19.25 72.25,18.25 78.75,18.25 78.75,16.25
  lines w0.4: 123.75,0 124,0.25

## Silkscreen, mask and mechanical layers (free items; w line width, h text height)
Top Overlay:
  drawing of 6 lines, arcs and shapes, not listed
  text "GND" at 114.417,44.25 h1
  text "FAN" at 11.917,43 h1
  text "RESET" at 59.817,42.85 h1
  text "BOOT" at 101.255,42.797 h1
  text "DEBUG" at 51.167,42.75 h1
  text "FRAGRANCE" at 21.418,42.5 h1
  text "DEBUG" at 37.917,42.25 h1
  text "USB SERIAL" at 89.002,42.25 h1
  text "BTN" at 60.687,41.176 h1
  text "MODE" at 101.255,41.047 h1
  text "LED" at 52.167,41 h1
  text "INTENSITY" at 21.585,40.75 h1
  text "BTNs" at 38.417,40.5 h1
  text "A" at 127.667,38.5 h1
  text "D" at 145.667,38.5 h1
  text "G" at 163.667,38.5 h1
  text "J" at 181.667,38.5 h1
  text "V_INT" at 19.001,37.583 h1
  text "SCLK" at 35.417,36.25 h1
  text "MOSI" at 40.584,36.25 h1
  text "MISO" at 55.109,36.108 h1
  text "SDA" at 103.667,35.5 h1
  text "SCL" at 114.917,35.25 h1
  text "3V3" at 26.035,32.519 h1
  text "+5V" at 15.736,32.508 h1
  text "(-)" at 194.917,31.5 h1
  text "ALARM" at 99.667,31 h1
  text "nCS" at 38.417,30 h1
  text "DAC_Sine" at 59.751,25.333 h1
  text "V_OUT" at 75.417,25.333 h1
  text "+6V" at 25.667,25.25 h1
  text "-6V" at 47.917,25.25 h1
  text "(+)" at 194.917,22.5 h1
  text "B" at 127.667,21.5 h1
  text "E" at 145.667,21.5 h1
  text "H" at 163.667,21.5 h1
  text "K" at 181.667,21.5 h1
  text "+5V PWR" at 6,20.332 h1 r270
  text "DAC_OFF" at 60.168,19.083 h1
  text "GND" at 4,11.333 h1 r270
  text "C" at 127.667,5.5 h1
  text "F" at 145.667,5.5 h1
  text "I" at 163.833,5.5 h1
  text "L" at 181.667,5.5 h1
  text "Multi-Dimensional Ultrasonic Diffuser" at 14.883,5 h1.5
  text "GND" at 8.917,4 h1
  text "Hardware Development Board: REV A" at 14.883,2.25 h1.5
Bottom Overlay:
  drawing of 71 lines, arcs and shapes, not listed
  text "(+)" at 11.083,47 h1
  text "GND" at 18.083,47 h1
  text "(+)" at 51.333,47 h1
  text "GND" at 58.333,47 h1
  text "3V3" at 24.252,46.113 h1 r90
  text "V_POT" at 26.326,46.122 h1 r90
  text "GND" at 28.267,46.13 h1 r90
  text "Designer: Jonathan Edwards" at 187.619,45.75 h1.5
  text "GND" at 6.598,18.5 h1
  text "+5V" at 6.598,16.324 h1
  text "GND" at 6.598,14.324 h1
  text "Serial Number:" at 59.346,5.497 h1.5
Mechanical 1:
  lines w0.152: 2,50 ccw(c2,48) 0,48 0,2 ccw(c2,2) 2,0 198,0 ccw(c198,2) 200,2 200,48 ccw(c198,48) 198,50 2,50 ; 2,50 2,50
Board Outline:
  lines w0.152: 0,2 ccw(c2,2) 2,0 198,0 ; 0,2 0,48 ; 0,2 0,48 ; 0,48 cw(c2,48) 2,50 ; 2,50 2,50 ; 2,50 198,50 cw(c198,48) 200,48 200,2 cw(c198,2) 198,0 ; 198,0 198,0

## Text inside footprints (layer, text, board x,y; h text height)
U7: Mechanical 13 "*" at 112.142,31.895 h1.27 r180